# Altium PCB VAMoS Rev C.PcbDoc (part 1 of 2) (continued)
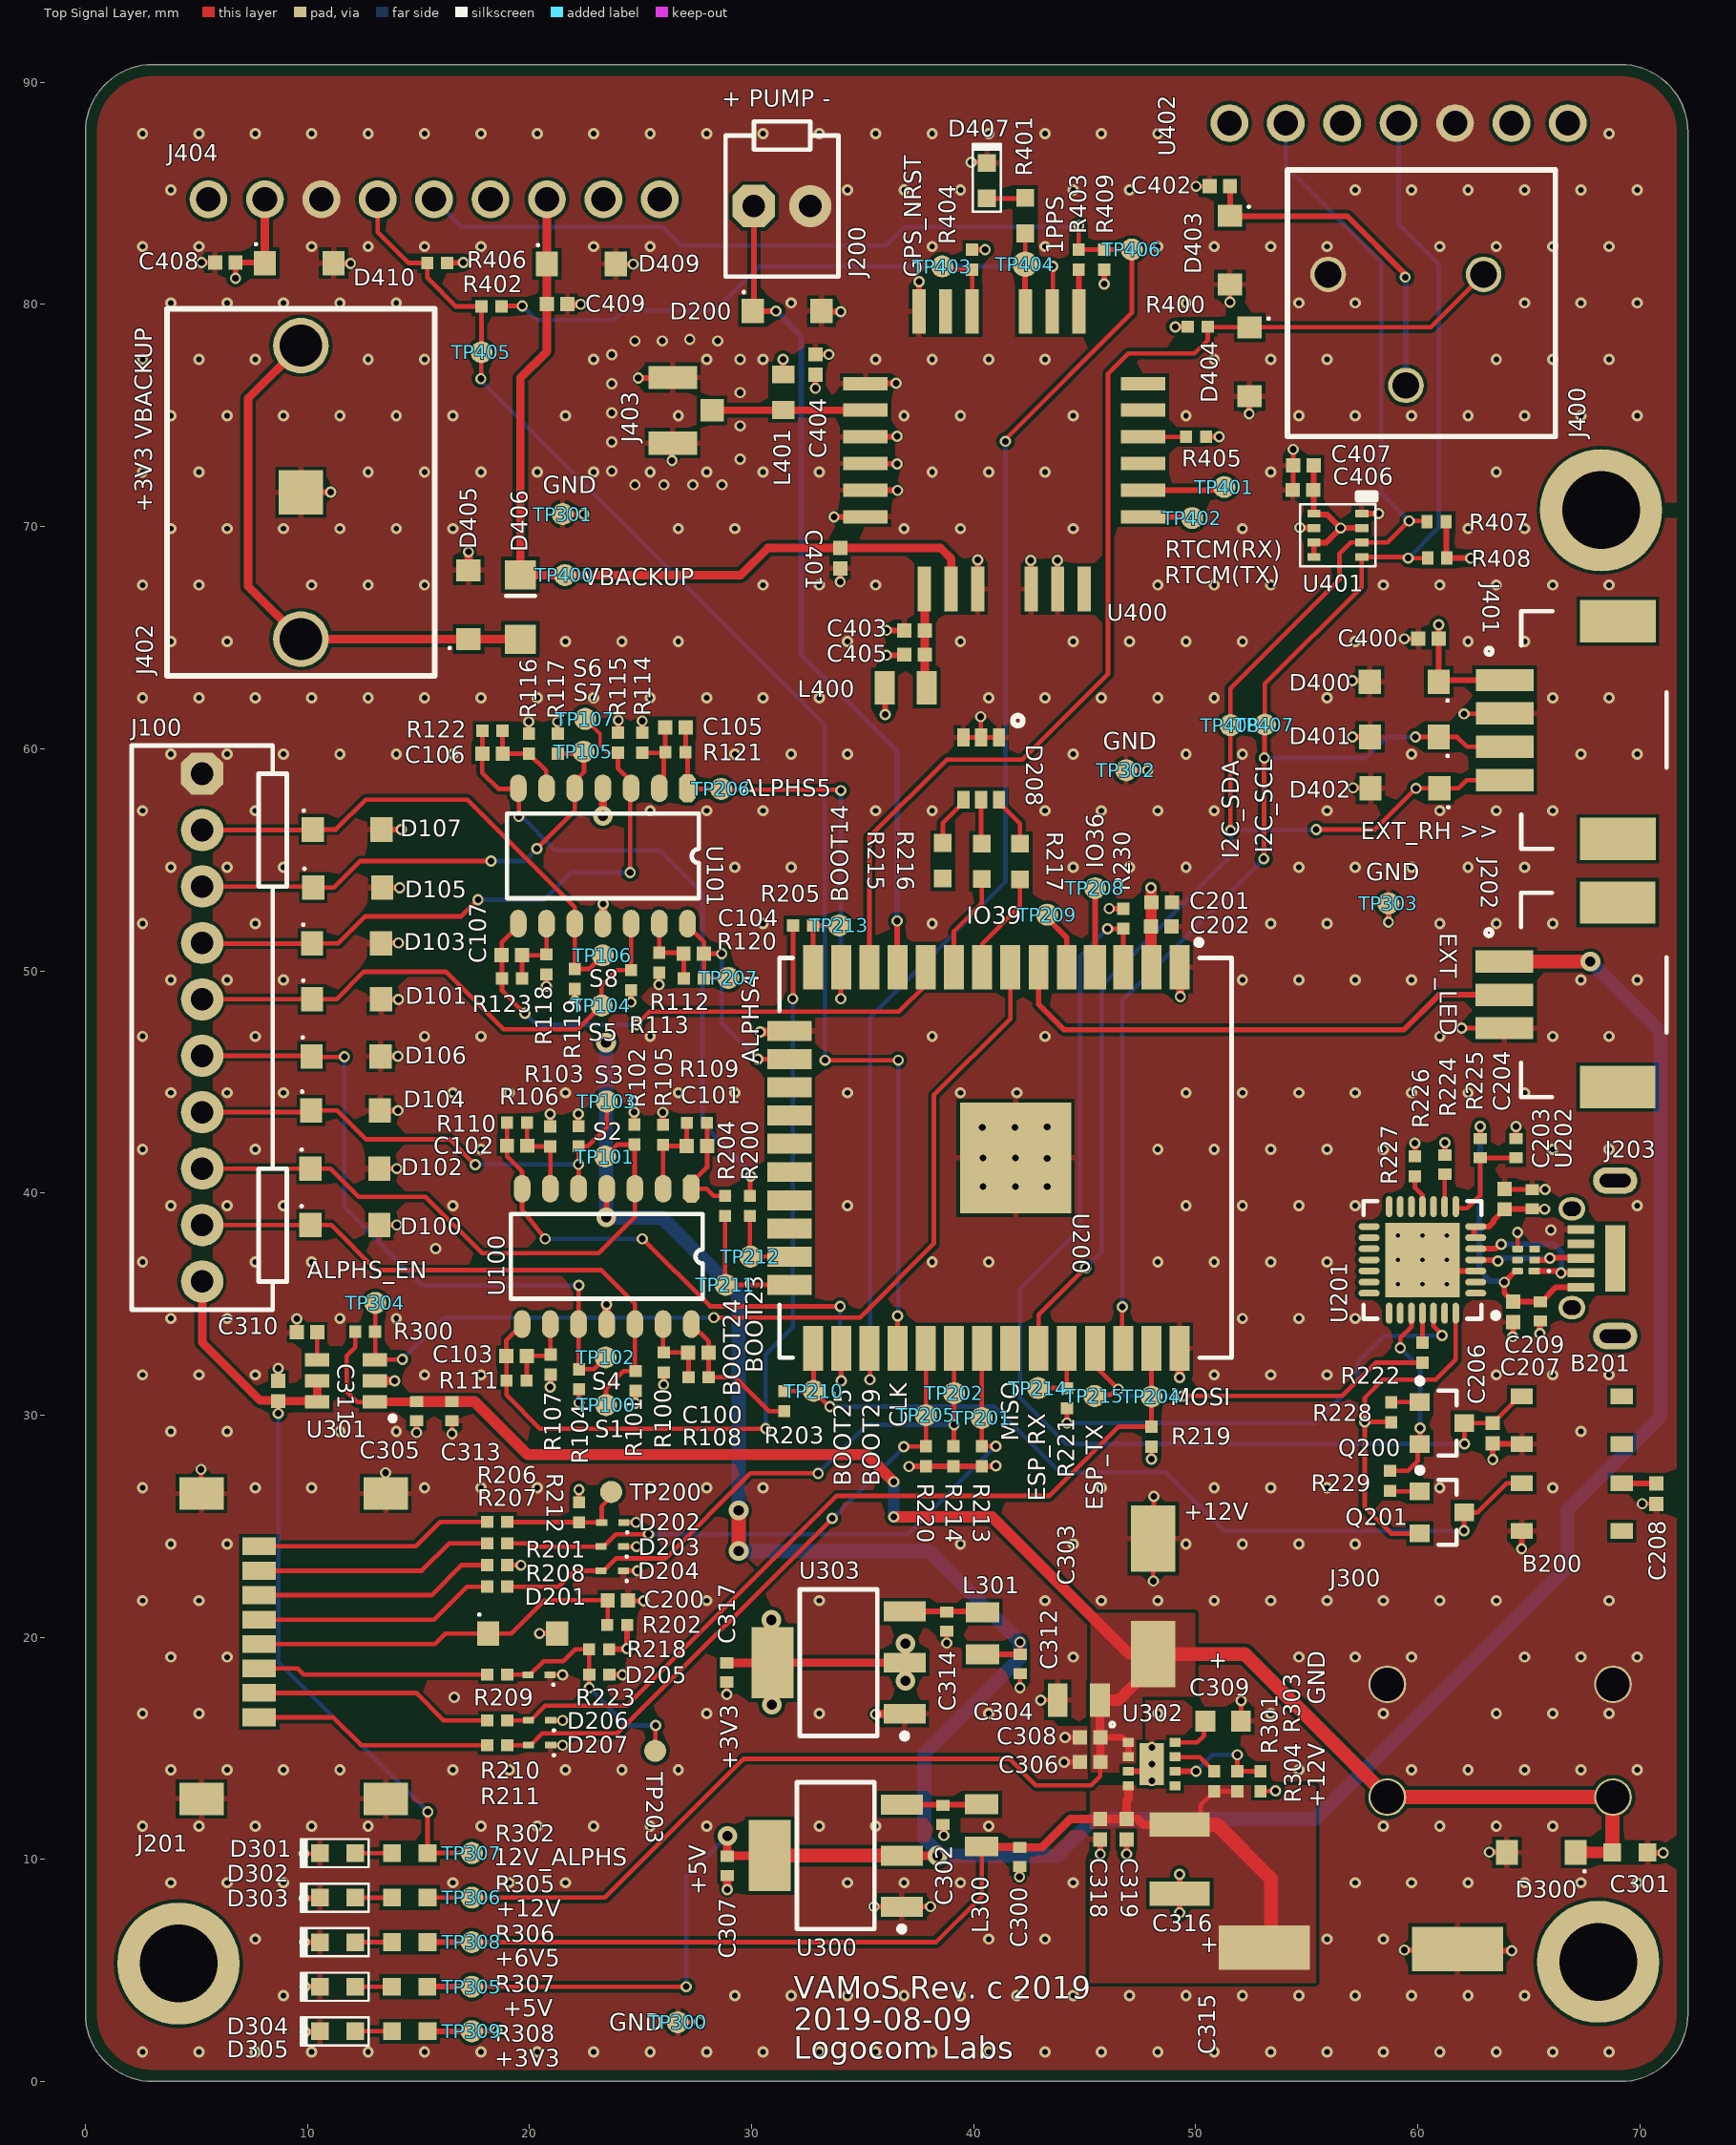
[diagram p0: Top Signal Layer view]
## Footprints (in the part's own frame and the unit in brackets; to place one, negate y for a bottom-side part, rotate by r counter-clockwise, add the part's x,y. Pads: shape width x height; smd on the part's side, far side on the other; paste and mask are expansions set on the pad)
"0.100\" 7PIN" [mm] "0.100\" FEMALE HEADER"
  round 1.7 hole 1.1: 1(-7.62,0) 2(-5.08,0) 3(-2.54,0) 4(0,0) 5(2.54,0) 6(5.08,0) 7(7.62,0)
  body extent -9.46,-1.25 9.46,1.25, height 8.5
"0.100\" 9PIN" [mm] "0.100\" FEMALE HEADER 9PIN"
  round 1.7 hole 1.1: 1(-10.16,0) 2(-7.62,0) 3(-5.08,0) 4(-2.54,0) 5(0,0) 6(2.54,0) 7(5.08,0) 8(7.62,0) 9(10.16,0)
  body extent -12,-1.25 12,1.25, height 8.5
"3POS PHOENIX" [mm] "3POS,THD,TENSION CLAMP,PHOENIX CONTACT"
  round 1.6 hole 1.2: 1(-3.5,0) 2(0,5) 3(3.5,0)
  silkscreen extent -6.73,-4.7 5.33,7.3, body extent -6.73,-4.73 5.27,7.27, height 13.1
"5.08MM 2POS TERMBLOCK" [mm]
  round 1.7 hole 1.5: 1(-2.54,5.08) 1(-2.54,-5.08) 2(2.54,5.08) 2(2.54,-5.08)
  body extent -6.55,-7.65 3.61,8.55, height 12.82
"2997 11.6MM COIN CELL" [mm] "2997 11.6mm COIN CELL HOLDER KEYSTONE"
  round 2.5 hole 1.9: 1(-6.605,0) 1(6.605,0)
  rect 1.99x1.99 smd: 2(0,0)
  silkscreen extent -8.25,-6.03 8.25,6.03, body extent -8.25,-5.97 8.25,5.97, height 8.2
6410/2pin [mil]
  oct 75x75 hole 40: 1(0,0)
  round 75 hole 40: 2(100,0)
  silkscreen extent -50,-125 150,150, body extent -50,-114 150,114, height 461
6410/10pin [mil] "10-pin J4 Analog Input Connector"
  oct 75x75 hole 40: 1(0,0)
  round 75 hole 40: 2(100,0) 3(200,0) 4(300,0) 5(400,0) 6(500,0) 7(600,0) 8(700,0) 9(800,0) 10(900,0)
  silkscreen extent -50,-125 950,150, body extent -50,-114 950,114, height 461
502584-0370 [mm]
  rect 1x2.6 smd: 1(1.5,2.55) 2(0,2.55) 3(-1.5,2.55)
  rect 1.9x3.4 smd: ""(-4.15,-2.55) ""(4.15,-2.55)
  silkscreen extent -4.6,-4.75 4.6,3.4, body extent -4.4,-4.55 4.4,2.85, height 7.33
502584-0470 [mm]
  rect 1x2.6 smd: 1(2.25,2.55) 2(0.75,2.55) 3(-0.75,2.55) 4(-2.25,2.55)
  rect 1.9x3.4 smd: ""(-4.9,-2.55) ""(4.9,-2.55)
  silkscreen extent -5.35,-4.75 5.35,3.4, body extent -5.15,-4.57 5.15,2.83, height 7.28
BME280 [mm] "Bosch Humidity, Pressure Sensor"
  rect 0.6x0.35 smd mask+0.051: 1(1.075,0.975) 2(1.075,0.325) 3(1.075,-0.325) 4(1.075,-0.975) 5(-1.075,-0.975) 6(-1.075,-0.325) 7(-1.075,0.325) 8(-1.075,0.975)
  silkscreen extent -1.7,-1.4 1.7,1.9, body extent -1.25,-1.25 1.25,1.25, height 1
C1005[0402] [mm] "Capacitor 1005(0402)"
  rect 0.5x0.6 smd: 1(-0.43,0) 2(0.43,0)
  body extent -0.5,-0.3 0.5,0.3, height 0.55
C1608[0603] [mm] "3DModel=0805.ogl"
  rect 0.9x0.95 smd: 1(-0.8,0) 2(0.8,0)
  body extent -0.8,-0.4 0.8,0.4, height 0.5
"C1608[0603] small" [mm] "3DModel=0805.ogl"
  rect 0.8x0.8 smd: 1(-0.8,0) 2(0.8,0)
  body extent -0.8,-0.4 0.8,0.4, height 0.5
C2012[0805] [mm] "3DModel=0805.ogl"
  rect 0.9x1.5 smd: 1(-0.95,0) 2(0.95,0)
  body extent -1.1,-0.7 1.1,0.7, height 0.9
C3225[1210]_Tall [mm]
  rect 1.1x2.7 smd: 1(-1.55,0) 2(1.55,0)
  body extent -1.6,-1.2 1.6,1.3, height 2.5
CAPC1005X06N [mm] "Chip Capacitor, 2-Leads, Body 1.00x0.50mm, IPC Medium Density"
  rect 0.64x0.64 smd: 1(-0.46,0) 2(0.46,0)
  body extent -0.55,-0.3 0.55,0.3, height 0.6
CONUFL001-SMD-T [mm] "uFL Connector"
  rect 1.05x2.2 smd: GND(-1.475,0.25) GND(1.475,0.25)
  rect 1x1.05 smd: SIG(0,-1.525)
  body extent -1.5,-1.55 1.5,1.55, height 1.25
DRY0006A [mm] "SON, 6-Leads, Body 1.45x1mm, Pitch 0.5mm"
  rrect33% 0.52x0.3 smd: 1(-0.37,0.5)
  rrect33% 0.49x0.3 smd: 2(-0.385,0) 3(-0.385,-0.5) 4(0.385,-0.5) 5(0.385,0) 6(0.385,0.5)
  silkscreen extent -1.08,0.45 -0.98,0.55, body extent -0.5,-0.72 0.5,0.72, height 0.6
L1608[0603] [mm]
  rect 0.8x1 smd: 1(-0.8,0) 2(0.8,0)
  body extent -0.8,-0.4 0.8,0.4, height 0.8
L2012[0805] [mm]
  rect 0.9x1.5 smd: 1(-0.95,0) 2(0.95,0)
  body extent -1.1,-0.7 1.1,0.7, height 0.9
LED_0603 [mm]
  rect 0.8x0.8 smd: 1(-0.8,0) 2(0.8,0)
  silkscreen extent -1.4,-0.64 1.65,0.64, body extent -0.8,-0.4 0.8,0.4, height 0.55
"NXP PTVSxS1UR-Series (SOD123W)" [mm] "TVS Diode"
  rect 1x1.1 smd: 1(-1.55,0) 2(1.55,0)
  silkscreen extent -2,0.8 -1.9,0.9, body extent -1.4,-0.95 1.4,0.95, height 1.1
OLMX-ESP-WROOM-32 [mm] "SMD, 38-Leads, Body 18x25.5mm, Pitch 1.27mm"
  rect 2x0.9 smd: 1(-8.575,8.78) 2(-8.575,7.51) 3(-8.575,6.24) 5(-8.575,3.7) 6(-8.575,2.43) 7(-8.575,1.16) 8(-8.575,-0.11) 9(-8.575,-1.38) 10(-8.575,-2.65) 11(-8.575,-3.92) 12(-8.575,-5.19) 13(-8.575,-6.46) 14(-8.575,-7.73) 25(8.575,-7.73) 26(8.575,-6.46) 27(8.575,-5.19) 28(8.575,-3.92) 29(8.575,-2.65) 30(8.575,-1.38) 31(8.575,-0.11) 32(8.575,1.16) 33(8.575,2.43) 34(8.575,3.7) 35(8.575,4.97) 36(8.575,6.24) 37(8.575,7.51) 38(8.575,8.78)
  rect 5x5 smd: 1(0,1.395)
  rect 2x1 smd: 4(-8.575,4.97)
  rect 0.9x2 smd: 15(-5.715,-8.78) 16(-4.445,-8.78) 17(-3.175,-8.78) 18(-1.905,-8.78) 19(-0.635,-8.78) 20(0.635,-8.78) 21(1.905,-8.78) 22(3.175,-8.78) 23(4.445,-8.78) 24(5.715,-8.78)
  silkscreen extent -9.83,-9.23 9,11.12, body extent -9.04,-9.25 9.04,16.29, height 3.04
ONSC-SOT-23-3-318-08_V [mm] "SOT23, 3-Leads, Body 2.92x1.3mm, Pitch 0.95mm"
  rect 0.9x0.8 smd: 1(-1,0.95) 2(-1,-0.95) 3(1,0)
  silkscreen extent -1.12,-1.46 0.65,2.02, body extent -0.65,-1.46 0.65,1.46, height 1.11
"PTS 815" [mm] "Small Surface Mount Button"
  rect 1x0.7 smd mask+0.051: 1(-2.25,1.075) 2(2.25,1.075) 3(-2.25,-1.075) 4(2.25,-1.075)
  body extent -2.25,-1.6 2.25,1.6, height 2.5
QFN50P500X500X80_HS-29N [mm] "QFN, 28-Leads, Body 5.00x5.00mm, Pitch 0.50mm, Thermal Pad 3.25x3.25mm, IPC Medium Density"
  oval 0.95x0.3 smd: 1(-2.4,1.5) 2(-2.4,1) 3(-2.4,0.5) 4(-2.4,0) 5(-2.4,-0.5) 6(-2.4,-1) 7(-2.4,-1.5) 15(2.4,-1.5) 16(2.4,-1) 17(2.4,-0.5) 18(2.4,0) 19(2.4,0.5) 20(2.4,1) 21(2.4,1.5)
  oval 0.3x0.95 smd: 8(-1.5,-2.4) 9(-1,-2.4) 10(-0.5,-2.4) 11(0,-2.4) 12(0.5,-2.4) 13(1,-2.4) 14(1.5,-2.4) 22(1.5,2.4) 23(1,2.4) 24(0.5,2.4) 25(0,2.4) 26(-0.5,2.4) 27(-1,2.4) 28(-1.5,2.4)
  rect 3.35x3.35 smd mask+0.051: 29(0,0)
  silkscreen extent -3.42,-2.65 2.65,2.65, body extent -2.5,-2.5 2.5,2.5, height 0.8
R1005[0402] [mm] "Resistor 1005[0402]"
  rect 0.5x0.6 smd: 1(-0.43,0) 2(0.43,0)
  body extent -0.5,-0.3 0.5,0.3, height 0.4
"R1608[0603] small" [mm]
  rect 0.8x0.8 smd: 1(-0.8,0) 2(0.8,0)
  body extent -0.8,-0.4 0.8,0.4, height 0.5
"Radial Can F61 6.6x6.6" [mm]
  rect 2x3 smd mask+0.051: 1(0,-2.5) 2(0,2.7)
  body extent -3.25,-3.25 3.25,3.25, height 6
"Radial Can Size G" [mm]
  rect 2x4.1 smd mask+0.051: 1(-0.025,-4.35) 2(0.025,4.35)
  body extent -5.18,-5.95 5.12,5.05, height 12.61
RESC1005X03N [mm] "Chip Resistor, 2-Leads, Body 1.00x0.50mm, IPC Medium Density"
  rect 0.55x0.55 smd: 1(-0.45,0) 2(0.45,0)
  body extent -0.53,-0.28 0.53,0.28, height 0.35
SD-47219-001 [mm] "Molex microSD Card Holder"
  rect 0.8x1.5 smd: 1(3.3,0) 2(2.2,0) 3(1.1,0) 4(0,0) 5(-1.1,0) 6(-2.2,0) 7(-3.3,0) 8(-4.4,0)
  rect 1.45x2 smd: 9(-6.78,-2.6) 10(-6.78,5.7) 11(6.97,5.7) 12(6.97,-2.6)
  body extent -7.05,-5.6 7.55,8.9, height 1.06
SIL0008D [mm] "TPS82140 Buck Converter"
  rect 0.5x0.4 smd: 1(-1.05,0.975) 2(-1.05,0.325) 3(-1.05,-0.325) 4(-1.05,-0.975) 5(1.05,-0.975) 6(1.05,-0.325) 7(1.05,0.325) 8(1.05,0.975)
  round 0.5 hole 0.3: 3(0,-0.75) 3(0,0) 3(0,0.75)
  rect 1.1x1.9 smd: 3(0,0)
  silkscreen extent -1.88,1.68 -1.68,1.88, body extent -1.45,-1.55 1.45,1.55, height 1.53
SOD-123FL_TVS [mm]
  rect 1.3x1.4 smd mask+0.051: 1(-1.45,0) 2(1.45,0)
  silkscreen extent 0.5,-0.65 0.5,0.65, body extent -1.5,-1 1.5,1, height 1
SODFL100X40-2N [mm] "SODFL, 2-Leads, Body 0.60x1.00mm, IPC Medium Density"
  rect 0.5x0.3 smd: 1(-0.5,0) 2(0.5,0)
  silkscreen extent -0.7,0.4 -0.6,0.5, body extent -0.42,-0.33 0.43,0.33, height 0.4
SOIC-14 [mm]
  oct 1.25x0.75 smd: 1(-3.048,3.937)
  oval 1.25x0.75 smd: 2(-3.048,2.667) 3(-3.048,1.397) 4(-3.048,0.127) 5(-3.048,-1.143) 6(-3.048,-2.413) 7(-3.048,-3.683) 8(3.048,-3.683) 9(3.048,-2.413) 10(3.048,-1.143) 11(3.048,0.127) 12(3.048,1.397) 13(3.048,2.667) 14(3.048,3.937)
  silkscreen extent -1.91,-4.19 1.91,4.44, body extent -3.18,-4.19 3.18,4.44, height 1.52
SOT23 [mm]
  rect 1.1x0.6 smd: 1(-1.3,0.95) 2(-1.3,0) 3(-1.3,-0.95) 4(1.3,-0.95) 5(1.3,0) 6(1.3,0.95)
  silkscreen extent -2.2,1.59 -2,1.79, body extent -0.9,-1.5 0.9,1.5, height 1.45
SOT230P700X165-4N [mm] "SOT223, 4-Leads, Body 6.50x7.00mm (avg), Pitch 2.30mm, IPC Medium Density"
  rect 1.9x0.9 smd: 1(-2.975,2.3) 2(-2.975,0) 3(-2.975,-2.3)
  rect 1.9x3.2 smd: 2(2.975,0)
  silkscreen extent -3.1,-3.3 1.75,3.42, body extent -3.5,-3.27 3.5,3.27, height 1.65
TP_SMD_39MIL [mil] "SMD Test Point"
  round 39 smd paste-23.62: 1(0,0)
TP_SMD_45MIL [mil] "SMD Test Point"
  round 45 smd paste-23.62: 1(0,0)
UJ2-MIBH2-4-SMT [mm] "USB MICRO-B Jack"
  oval 2x1.2 hole 0.6 slot 1.4 at 0 deg: 0(-1.55,2.2) 0(-1.55,-4.8)
  oval 1.2x1.05 hole 0.65 slot 0.8 at 0 deg: 0(0.4,0.925) 0(0.4,-3.525)
  rect 1.2x0.4 smd: 1(0,0) 2(0,-0.65) 3(0,-1.3) 4(0,-1.95) 5(0,-2.6)
  rect 0.9x3 smd: 9(-1.55,-1.3)
  body extent -4.75,-5 0.55,2.5, height 2.76
VLMRGB6112 [mm]
  rect 0.8x0.55 smd mask+0.051: 1(1.4,-0.8) 2(1.4,0) 3(1.4,0.8) 4(-1.4,0.8) 5(-1.4,0) 6(-1.4,-0.8)
  silkscreen extent 1.94,-1.87 2.38,-1.43, body extent -1.6,-1.4 1.6,1.4, height 1.45
XA1100 [mm] "GPS Module"
  rect 2x0.6 smd: 1(-6.25,3) 2(-6.25,1.8) 3(-6.25,0.6) 4(-6.25,-0.6) 5(-6.25,-1.8) 6(-6.25,-3) 13(6.25,-3) 14(6.25,-1.8) 15(6.25,-0.6) 16(6.25,0.6) 17(6.25,1.8) 18(6.25,3)
  rect 0.6x2 smd: 7(-3.6,-6.25) 8(-2.4,-6.25) 9(-1.2,-6.25) 10(1.2,-6.25) 11(2.4,-6.25) 12(3.6,-6.25) 19(3.35,6.25) 20(2.15,6.25) 21(0.95,6.25) 22(-1.45,6.25) 23(-2.65,6.25) 24(-3.85,6.25)
  body extent -6.25,-6.25 6.25,6.25, height 7

## Part data
B200 B201: "Push Button Top", Manufacturer="C&K Components", Manufacturer Part Number="PTS815 SJG 250 SMTR LFS", Supplier Part Number 1=CKN12217-1-ND, ComponentLink1Description=http://datasheet.octopart.com/PTS815-SJG-250-SMTR-LFS-C%26K-Components-datasheet-130077068.pdf?src-supplier=Allied+Electronics, ComponentLink1URL=http://datasheet.octopart.com/PTS815-SJG-250-SMTR-LFS-C%26K-Components-datasheet-130077068.pdf?src-supplier=Allied+Electronics, Supplier 1=Digi-Key
C100 C101 C102 C103 C104 C105 C106 C107 C200 C202 C204 C206 C208 C209 C306 C311 C318 C405 C406 C407 C408 C409: library part 4.7uF_0603_10V, Manufacturer=Samsung, Manufacturer Part Number=CL05A104KA5NNNC, Supplier Part Number 1=1276-1043-1-ND, Voltage=25V, ComponentLink1Description=http://www.murata.com/~/media/webrenewal/support/library/catalog/products/capacitor/mlcc/c02e.pdf, ComponentLink1URL=http://www.murata.com/~/media/webrenewal/support/library/catalog/products/capacitor/mlcc/c02e.pdf, Supplier 1=Digi-Key
C201: "Capacitor", Manufacturer=Samsung, Manufacturer Part Number=CL05A106MP8NUB8, Supplier Part Number 1=1276-6830-1-ND, Voltage=10V, Supplier 1=Digi-Key
C203 C207: library part 4.7uF_0402_10V, "Cap,4.7uF,10V,20%,X5R,0402", Manufacturer="Samsung Electro-Mechanics", Manufacturer Part Number=CL05A475MO5NUNC, Supplier Part Number 1=1276-6836-1-ND, Voltage=16V, Supplier 1=Digi-Key
C300 C302 C307 C312 C314 C317: library part 4.7uF_0402_16V, "Cap,4.7uF,16V,20%,X5R,0402", Manufacturer="Samsung Electro-Mechanics", Manufacturer Part Number=CL05A475MO5NUNC, Supplier Part Number 1=1276-6836-1-ND, Supplier 1=Digi-Key
C301: library part 1uF_0603_25V, "CAP 1µF 25V ±10% X7R 0603", Capacitance="1 µF", Case Size/Dimension=0603, Dielectric=X7R, Manufacturer=Samsung, Manufacturer Part Number=CL10B105KA8NNNC, Supplier Part Number 1=1276-1184-1-ND, Tolerance (%)="±10 %", Voltage="25 V", ComponentLink1Description=https://datasheet.ciiva.com/16449/cl10b105ka8nnnc-16449544.pdf, ComponentLink1URL=https://datasheet.ciiva.com/16449/cl10b105ka8nnnc-16449544.pdf, ComponentLink2Description=https://datasheet.ciiva.com/15195/getdatasheetpartid-359554-15195726.pdf, ComponentLink2URL=https://datasheet.ciiva.com/15195/getdatasheetpartid-359554-15195726.pdf, Pricing 1="1=0.1, 10=0.069, 100=0.0307, 500=0.0219, 1000=0.0172 (USD)", Stock 1=622934, Supplier 1=Digi-Key, TZOA PN=211-00001
C303: library part "22uF 50V Hybrid Polymer Capacitor", "22uF 50V Hybrid Polymer Capacitor", Capacitance=22µF, ESR (Equivalent Series Resistance)="80 mOhm", Lifetime @ Temp.="5000 Hrs @ 105°C", Manufacturer="United Chemi-Con", Manufacturer Part Number=HHXB500ARA220MF61G, Operating Temperature="-55°C ~ 105°C", Package / Case="Radial, Can - SMD", Ripple Current=1.1A, Standard Package=1, Supplier Part Number 1=565-4188-6-ND, Tolerance=±20%, Voltage Rating=50V, Applications="General Purpose", Category=Capacitors, ComponentLink1Description=http://www.mouser.com/ds/2/420/al-hxb-bulletin831e-e-140325-345764.pdf, ComponentLink1URL=http://www.mouser.com/ds/2/420/al-hxb-bulletin831e-e-140325-345764.pdf, ComponentLink2Description=//media.digikey.com/pdf/Data%20Sheets/United%20Chemi-Con%20PDFs/HXB_Series_Bltn.pdf, ComponentLink2URL=//media.digikey.com/pdf/Data%20Sheets/United%20Chemi-Con%20PDFs/HXB_Series_Bltn.pdf, Digikey PN=565-4188-1-ND, Family="Aluminum - Polymer Capacitors", Featured Product="Hybrid Polymer Aluminum Electrolytic Capacitors HXB Series", Height - Seated (Max)="0.240\" (6.10mm)", Impedance=-, Lead Spacing=-, Mounting Type="Surface Mount", Online Catalog="HXB Series", Other Names=565-4188-1, Packaging="Cut Tape (CT)", Polarization=Polar, Pricing 1="1=1.32, 10=1.043, 100=0.7825, 500=0.5912 (USD)", Series="Automotive, AEC-Q200, HXB, Hybrid", Size / Dimension="0.248\" Dia (6.30mm)", Stock 1=1047, Supplier 1=Digikey, Surface Mount Land Size="0.260\" L x 0.260\" W (6.60mm x 6.60mm)"
C304: library part 22uF_0805_16V, "CAP 22µF 16V ±20% X5R 0805", Capacitance=22µF, Manufacturer="Samsung Electro-Mechanics", Manufacturer Part Number=CL21A226MOCLRNC, Operating Temperature="-55°C ~ 85°C", Package / Case="0805 (2012 Metric)", Ratings=-, Supplier Part Number 1=1276-6780-1-ND, Temperature Coefficient=X5R, Tolerance=±20%, Voltage - Rated=16V, Applications="General Purpose", Category=Capacitors, Family="Ceramic Capacitors", Features="Low Profile", Height - Seated (Max)=-, Lead Spacing=-, Lead Style=-, Mounting Type="Surface Mount, MLCC", Packaging="Tape &amp; Reel (TR)", Pricing 1="1=0.26, 10=0.176, 100=0.0996, 500=0.0703, 1000=0.0615 (USD)", Series=CL, Size / Dimension="0.079\" L x 0.049\" W (2.00mm x 1.25mm)", Stock 1=250082, Supplier 1=Digi-Key, Thickness (Max)="0.037\" (0.95mm)", TZOA PN=211-00008
C305 C313: library part 4.7uF_0402_16V, "Cap,4.7uF,16V,20%,X5R,0402", Manufacturer="Samsung Electro-Mechanics", Manufacturer Part Number=CL05A475MO5NUNC, Supplier Part Number 1=1276-6836-1-ND, Voltage=16V, Supplier 1=Digi-Key
C308 C319: library part 4.7uF_0603_10V, Manufacturer=Samsung, Manufacturer Part Number=CL05B153KO5NNNC, Supplier Part Number 1=1276-1524-1-ND, Voltage=16V, ComponentLink1Description=http://www.murata.com/~/media/webrenewal/support/library/catalog/products/capacitor/mlcc/c02e.pdf, ComponentLink1URL=http://www.murata.com/~/media/webrenewal/support/library/catalog/products/capacitor/mlcc/c02e.pdf, Supplier 1=Digi-Key
C309: library part 3.3nF_0603_50V, "Cap,3.3nF,50V,10%,X7R,0603", Manufacturer=Samsung, Manufacturer Part Number=CL10B332KB8NNNC, Supplier Part Number 1=1276-1758-1-ND, Supplier 1=Digi-Key
C310: library part 4.7uF_0603_10V, Manufacturer=N/A, ComponentLink1Description=http://www.murata.com/~/media/webrenewal/support/library/catalog/products/capacitor/mlcc/c02e.pdf, ComponentLink1URL=http://www.murata.com/~/media/webrenewal/support/library/catalog/products/capacitor/mlcc/c02e.pdf, Manufacturer Part Number=N/A, Supplier 1=N/A, Supplier Part Number 1=N/A, Voltage=N/A
C315: Capacitance="100 uF", Case Diameter="10 mm", Case Height="10.5 mm", Case Length="10.2 mm", Manufacturer=Panasonic, Manufacturer Part Number=EEH-ZA1H101P, Maximum Operating Temperature="+ 105 C", Minimum Operating Temperature="- 55 C", Ripple Current="2 A", Supplier Part Number 1=P15442CT-ND, Tolerance="20 %", Voltage Rating DC="50 V", Brand=Panasonic, ComponentLink1Description=https://datasheet.ciiva.com/48541/eehza-eng-tds-48541031.pdf, ComponentLink1URL=https://datasheet.ciiva.com/48541/eehza-eng-tds-48541031.pdf, ComponentLink2Description=https://datasheet.ciiva.com/18524/aba0000ce136-18524922.pdf, ComponentLink2URL=https://datasheet.ciiva.com/18524/aba0000ce136-18524922.pdf, ComponentLink3Description=https://datasheet.ciiva.com/6134/1536543-6134363.pdf, ComponentLink3URL=https://datasheet.ciiva.com/6134/1536543-6134363.pdf, ComponentLink4Description=https://datasheet.ciiva.com/7794/1536543-7794235.pdf, ComponentLink4URL=https://datasheet.ciiva.com/7794/1536543-7794235.pdf, ComponentLink5Description=https://datasheet.ciiva.com/18524/aba0000ce136-18524923.pdf, ComponentLink5URL=https://datasheet.ciiva.com/18524/aba0000ce136-18524923.pdf, ComponentLink6Description=https://datasheet.ciiva.com/30178/86aba0000ce136-30178699.pdf, ComponentLink6URL=https://datasheet.ciiva.com/30178/86aba0000ce136-30178699.pdf, ComponentLink7Description=https://datasheet.ciiva.com/14595/70256916-14595260.pdf, ComponentLink7URL=https://datasheet.ciiva.com/14595/70256916-14595260.pdf, ComponentLink8Description=https://datasheet.ciiva.com/18524/aba0000ce136-18524924.pdf, ComponentLink8URL=https://datasheet.ciiva.com/18524/aba0000ce136-18524924.pdf, ComponentLink9Description=https://datasheet.ciiva.com/28691/1536543-28691421.pdf, ComponentLink9URL=https://datasheet.ciiva.com/28691/1536543-28691421.pdf, ComponentLink10Description=https://datasheet.ciiva.com/22730/1536543-22730558.pdf, ComponentLink10URL=https://datasheet.ciiva.com/22730/1536543-22730558.pdf, ComponentLink11Description=https://datasheet.ciiva.com/10327/aba0000ce136-10327231.pdf, ComponentLink11URL=https://datasheet.ciiva.com/10327/aba0000ce136-10327231.pdf, ESR="28 mOhms", Factory Pack Quantity=500, Height="10.5 mm", Load Life="10000 Hour", Packaging=Reel, Pricing 1="1=3.3, 10=2.734, 25=2.6136, 50=2.5332, 100=2.4125, 250=2.2517 (USD)", Product="Aluminum Electrolytic Capacitors", Product Category="Aluminum Organic Polymer Capacitors", RoHS=Details, Series=ZA, Stock 1=9616, Supplier 1=Digikey, Termination Style=SMD/SMT
C316: library part 4.7uF_0603_10V, Manufacturer=Murata, Manufacturer Part Number=GRM32ER61A107ME20L, Supplier Part Number 1=490-9969-1-ND, Voltage=10V, ComponentLink1Description=http://www.murata.com/~/media/webrenewal/support/library/catalog/products/capacitor/mlcc/c02e.pdf, ComponentLink1URL=http://www.murata.com/~/media/webrenewal/support/library/catalog/products/capacitor/mlcc/c02e.pdf, Supplier 1=Digi-Key
C400 C401 C402 C403 C404: library part 4.7uF_0603_10V, "CAP 4.7uF 10V ±10% X5R 0603", Manufacturer=Samsung, Manufacturer Part Number=CL05A105MP5NNNC, Supplier Part Number 1=1276-1448-1-ND, Voltage=10V, ComponentLink1Description=http://www.murata.com/~/media/webrenewal/support/library/catalog/products/capacitor/mlcc/c02e.pdf, ComponentLink1URL=http://www.murata.com/~/media/webrenewal/support/library/catalog/products/capacitor/mlcc/c02e.pdf, Supplier 1=Digi-Key
D100 D101 D102 D103 D104 D105 D106 D107: library part "NXP PTVSxS1UR-Series", Manufacturer=Nexperia, Manufacturer Part Number=PTVS5V0S1UR,115, Supplier Part Number 1=1727-5229-1-ND, Supplier 1=Digi-Key
D200 D201 D400 D401 D402 D403 D404 D405 D409 D410: library part "NXP PTVSxS1UR-Series", Manufacturer=Nexperia, Manufacturer Part Number=PTVS3V3S1UTR,115, Supplier Part Number 1=1727-1416-1-ND, Supplier 1=Digi-Key
D202 D203 D204 D205 D206 D207: library part ESD7951S, "TVS Diode", Manufacturer="ON Semiconductor", Manufacturer Part Number=ESD7951ST5G, Supplier 1=Digi-Key, Supplier Part Number 1=ESD7951ST5GOSCT-ND
D208: "LED RGB Clear 624nm/526nm/469nm 2V/3.1V/3V PLCC-6", Manufacturer="Vishay Semiconductor Opto Division", Manufacturer Part Number=VLMRGB6112-00-GS08, Supplier Part Number 1=VLMRGB6112-00-GS08CT-ND, Supplier 1=Digi-Key, TZOA PN=250-00002
D300: library part "NXP PTVSxS1UR-Series", Manufacturer=Nexperia, Manufacturer Part Number=PTVS12VS1UR,115, Supplier Part Number 1=1727-5325-1-ND, Supplier 1=Digi-Key
D301 D302 D303 D304 D305 D407: library part "Green LED", "LED Green Diffused 0603", Color=Green, Forward (Drive) Current="20 mA", Forward Voltage="2.2 V", Manufacturer=Rohm, Manufacturer Part Number=SML-D12M8WT86, Supplier Part Number 1=511-1578-1-ND, ComponentLink1Description=https://datasheet.ciiva.com/11774/0900766b80df3ada-11774260.pdf, ComponentLink1URL=https://datasheet.ciiva.com/11774/0900766b80df3ada-11774260.pdf, ComponentLink2Description=https://datasheet.ciiva.com/3161/sml-d1-3161419.pdf, ComponentLink2URL=https://datasheet.ciiva.com/3161/sml-d1-3161419.pdf, ComponentLink3Description=https://datasheet.ciiva.com/2110/sml-d1-2110396.pdf, ComponentLink3URL=https://datasheet.ciiva.com/2110/sml-d1-2110396.pdf, ComponentLink4Description=https://datasheet.ciiva.com/2110/sml-d1-2110397.pdf, ComponentLink4URL=https://datasheet.ciiva.com/2110/sml-d1-2110397.pdf, ComponentLink5Description=https://datasheet.ciiva.com/2110/sml-d1-2110398.pdf, ComponentLink5URL=https://datasheet.ciiva.com/2110/sml-d1-2110398.pdf, Dimension=0603, Intensity="100 mcd", Lens Type=Diffused, Pricing 1="1=0.34, 10=0.251, 25=0.1848, 100=0.132, 250=0.0898, 500=0.0792, 1000=0.062 (USD)", Stock 1=105158, Supplier 1=Digi-Key, TZOA PN=XXX